# Allegro board OE19_pdb_1v01_b_0704_1000_customer.brd (continued)
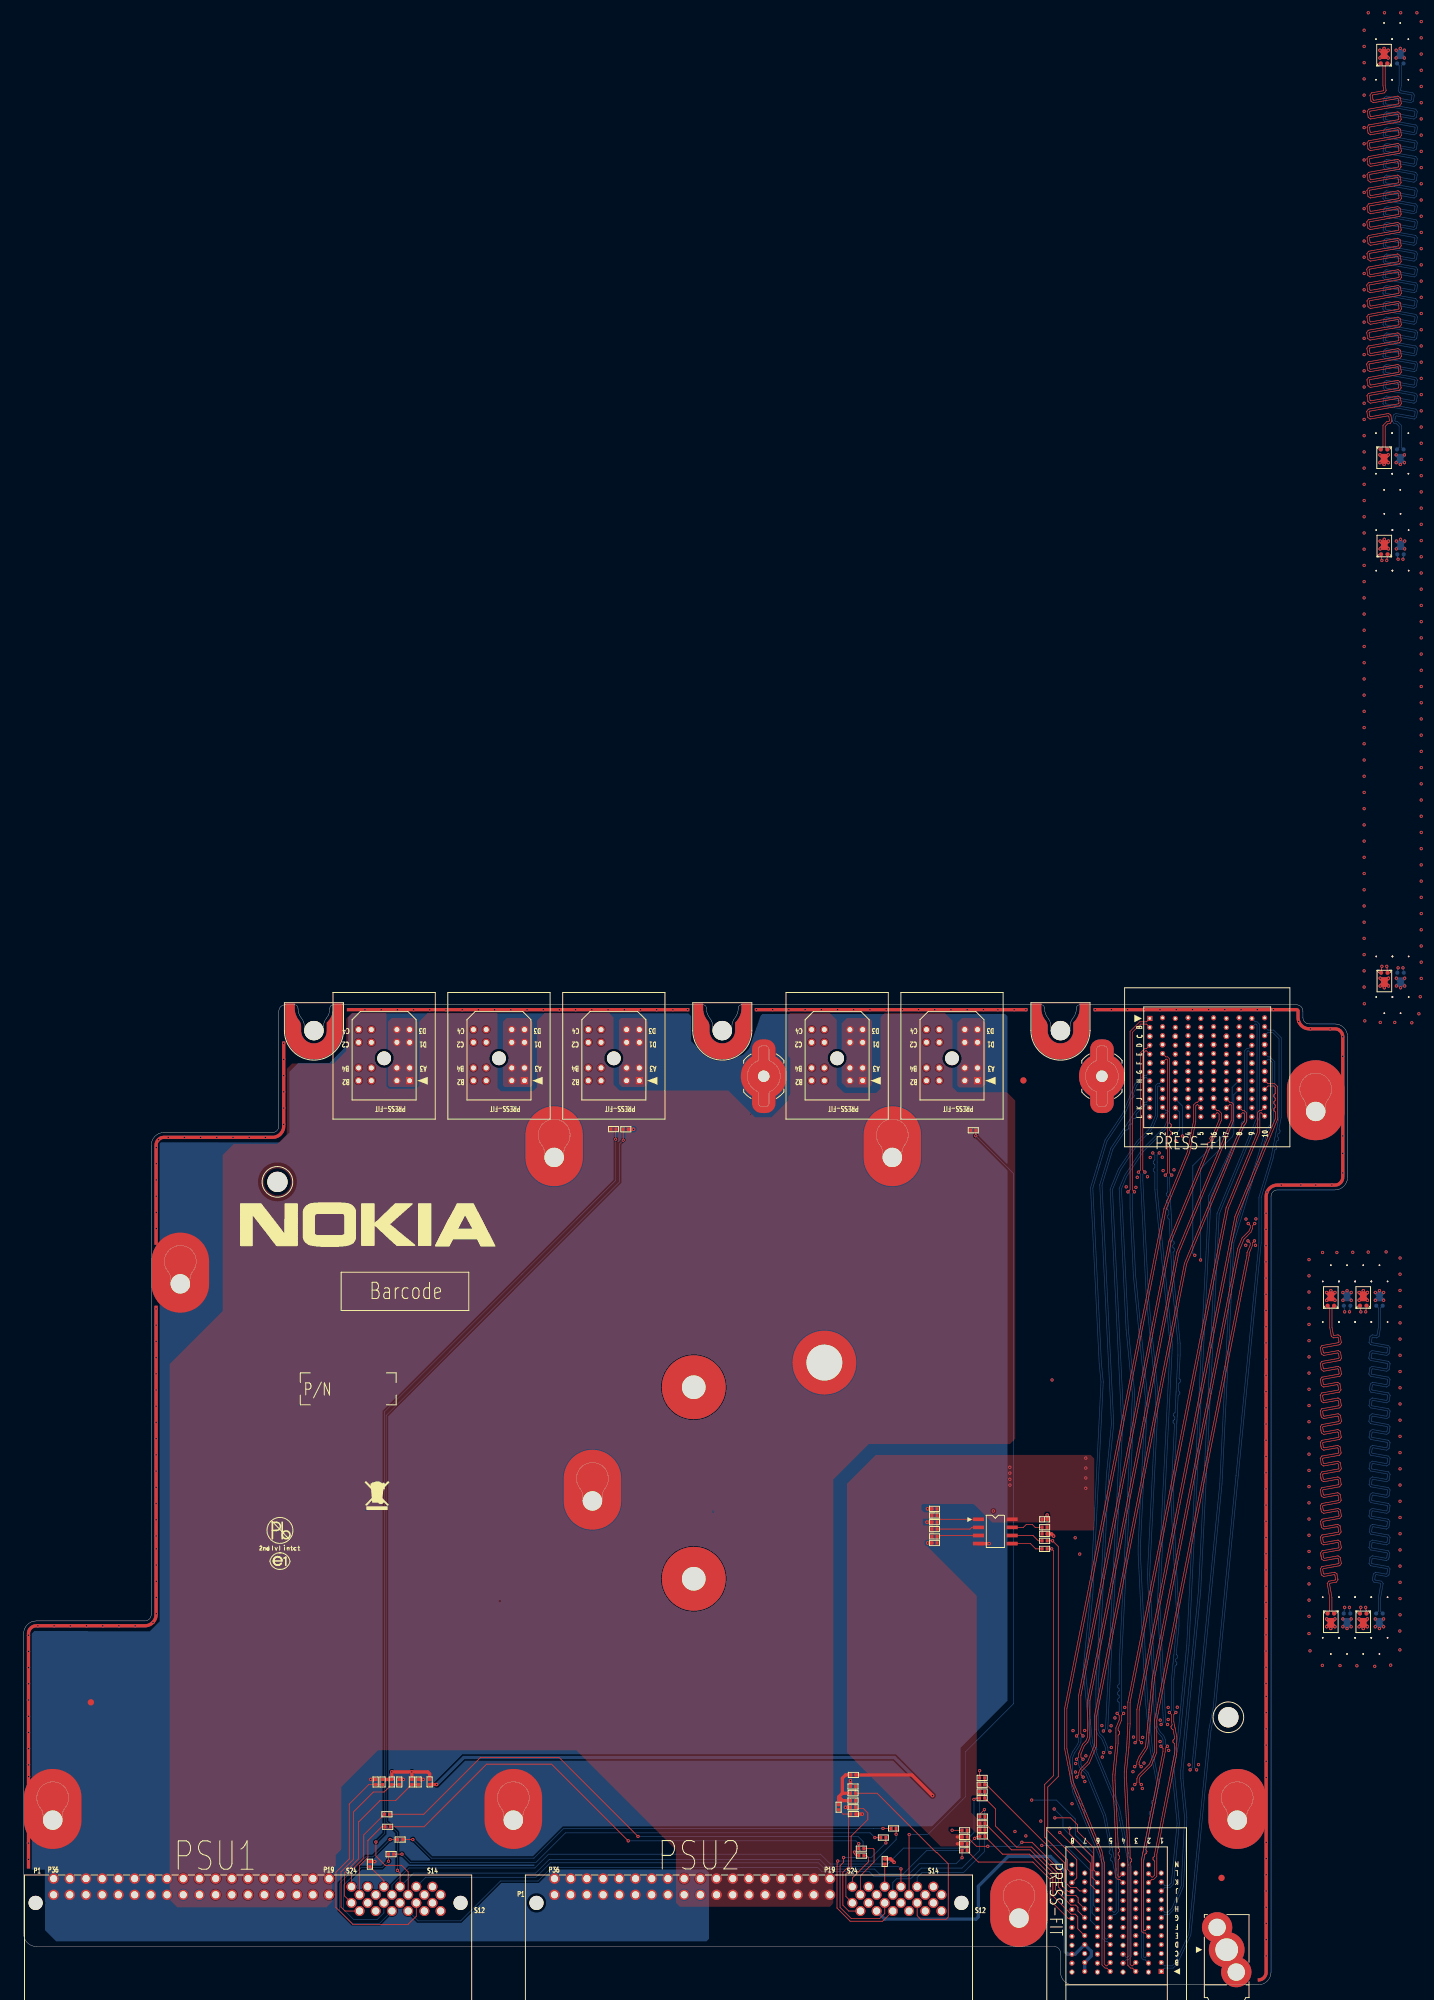
[diagram p0: board, top side]
## Routing (per net, layer and track width the routed paths; a pad name or vN(x,y) marks a point on that pad's centre or on a via; arc(x,y) is an arc through that point) (continued)
DELTA_L_85_10INCH_IN1_DN: length 254
  IN1 w0.114: v1(215.41,223.28) 215.59,223.11 215.59,220.57 215.45,219.78 215.32,219.69 213.48,220.01 213.05,219.72 212.88,218.73 213.17,218.31 217.7,217.51 217.79,217.38 217.68,216.74 217.55,216.64 213.47,217.36 213.05,217.07 212.87,216.08 213.17,215.66 217.74,214.85 217.84,214.72 217.72,214.08 217.59,213.98 213.47,214.71 213.05,214.41 212.87,213.42 213.17,213 217.77,212.19 217.86,212.06 217.75,211.42 217.61,211.33 213.48,212.05 213.06,211.76 212.89,210.77 213.18,210.35 217.75,209.54 217.84,209.41 217.72,208.77 217.59,208.68 213.5,209.4 213.07,209.1 212.9,208.11 213.19,207.69 217.67,206.9 217.77,206.77 217.65,206.13 217.52,206.04 213.52,206.74 213.1,206.45 212.92,205.46 213.22,205.04 217.78,204.23 217.87,204.1 217.75,203.46 217.62,203.37 213.53,204.09 213.11,203.79 212.93,202.8 213.23,202.38 217.78,201.58 217.88,201.45 217.76,200.81 217.63,200.71 213.52,201.44 213.1,201.14 212.93,200.15 213.22,199.73 217.74,198.93 217.83,198.8 217.72,198.16 217.59,198.07 213.49,198.79 213.07,198.49 212.9,197.51 213.19,197.08 217.71,196.29 217.8,196.15 217.69,195.51 217.56,195.42 213.47,196.14 213.04,195.85 212.87,194.86 213.16,194.44 217.68,193.64 217.77,193.51 217.66,192.87 217.52,192.77 213.49,193.49 213.07,193.19 212.89,192.2 213.19,191.78 217.79,190.97 217.88,190.84 217.77,190.19 217.64,190.1 213.48,190.84 213.05,190.54 212.88,189.55 213.17,189.13 217.74,188.32 217.83,188.19 217.71,187.55 217.58,187.46 213.48,188.18 213.06,187.89 212.88,186.9 213.18,186.48 217.79,185.66 217.89,185.53 217.77,184.89 217.64,184.8 213.54,185.52 213.12,185.22 212.95,184.23 213.24,183.81 217.77,183.01 217.87,182.88 217.75,182.24 217.62,182.15 213.54,182.87 213.12,182.57 212.94,181.58 213.24,181.16 217.73,180.37 217.83,180.23 217.71,179.59 217.58,179.5 213.49,180.22 213.07,179.93 212.9,178.94 213.19,178.52 217.75,177.71 217.84,177.58 217.73,176.94 217.6,176.85 213.52,177.56 213.1,177.27 212.93,176.28 213.22,175.86 217.77,175.06 217.86,174.92 217.75,174.28 217.61,174.19 213.4,174.93 212.98,174.64 212.81,173.65 213.1,173.23 217.76,172.4 217.86,172.27 217.74,171.63 217.61,171.54 213.54,172.26 213.12,171.96 212.91,170.8 213.21,170.38 217.79,169.58 217.88,169.44 217.77,168.8 217.64,168.71 213.45,169.44 213.02,169.15 212.85,168.16 213.14,167.74 217.39,166.99 217.49,166.86 217.37,166.22 217.24,166.12 213.29,166.82 212.87,166.52 212.69,165.53 212.99,165.11 216.44,164.5 216.56,164.33 216.19,162.26 215.56,161.63 215.56,159.43 v1(215.42,159.29)
  BOTTOM w0.099: J33.2 v1(215.42,159.29) ; J27.1 v1(215.41,223.28)
DELTA_L_85_10INCH_IN1_DP: length 254
  IN1 w0.114: v1(216.18,159.29) 215.99,159.48 215.99,161.45 216.59,162.05 217.01,164.43 216.69,164.89 213.24,165.5 213.14,165.63 213.26,166.28 213.39,166.37 217.34,165.67 217.76,165.97 217.94,166.96 217.64,167.38 213.39,168.13 213.3,168.26 213.41,168.9 213.55,168.99 217.74,168.25 218.16,168.55 218.33,169.54 218.04,169.96 213.46,170.77 213.37,170.9 213.51,171.71 213.64,171.81 217.71,171.09 218.13,171.38 218.31,172.37 218.01,172.79 213.35,173.62 213.26,173.75 213.37,174.39 213.5,174.48 217.71,173.74 218.14,174.04 218.31,175.02 218.01,175.45 213.47,176.25 213.38,176.38 213.49,177.02 213.62,177.11 217.7,176.4 218.12,176.69 218.29,177.68 218,178.1 213.44,178.91 213.35,179.04 213.46,179.68 213.59,179.77 217.68,179.05 218.1,179.35 218.28,180.33 217.98,180.76 213.49,181.55 213.39,181.68 213.51,182.32 213.64,182.42 217.72,181.7 218.14,181.99 218.32,182.98 218.02,183.4 213.49,184.2 213.4,184.33 213.51,184.97 213.64,185.07 217.74,184.35 218.16,184.64 218.34,185.63 218.04,186.05 213.43,186.87 213.33,187 213.45,187.64 213.58,187.73 217.68,187.01 218.1,187.3 218.28,188.29 217.98,188.71 213.42,189.52 213.33,189.65 213.44,190.29 213.58,190.38 217.74,189.65 218.16,189.95 218.34,190.94 218.04,191.36 213.44,192.17 213.34,192.3 213.46,192.94 213.59,193.04 217.62,192.32 218.05,192.62 218.22,193.61 217.93,194.03 213.41,194.83 213.32,194.96 213.43,195.6 213.57,195.69 217.66,194.97 218.08,195.27 218.25,196.25 217.96,196.68 213.44,197.47 213.35,197.61 213.46,198.25 213.59,198.34 217.69,197.62 218.11,197.91 218.29,198.9 217.99,199.32 213.47,200.12 213.38,200.25 213.49,200.89 213.62,200.99 217.73,200.26 218.15,200.56 218.33,201.55 218.03,201.97 213.48,202.77 213.39,202.9 213.5,203.55 213.63,203.64 217.72,202.92 218.14,203.21 218.32,204.2 218.02,204.62 213.46,205.43 213.37,205.56 213.49,206.2 213.62,206.29 217.62,205.59 218.04,205.88 218.22,206.87 217.92,207.29 213.44,208.08 213.35,208.21 213.46,208.86 213.6,208.95 217.69,208.23 218.11,208.52 218.29,209.51 217.99,209.93 213.43,210.74 213.34,210.87 213.45,211.51 213.58,211.6 217.71,210.88 218.14,211.17 218.31,212.16 218.02,212.58 213.42,213.39 213.32,213.52 213.44,214.17 213.57,214.26 217.69,213.53 218.11,213.83 218.29,214.82 217.99,215.24 213.42,216.05 213.32,216.18 213.44,216.82 213.57,216.91 217.65,216.19 218.07,216.49 218.24,217.48 217.95,217.9 213.42,218.7 213.33,218.83 213.44,219.47 213.58,219.56 215.42,219.24 215.84,219.53 216.02,220.53 216.02,223.13 v1(216.18,223.28)
  BOTTOM w0.099: J27.2 v1(216.18,223.28) ; J33.1 v1(216.18,159.29)
DELTA_L_85_10INCH_IN2_DN: length 254
  TOP w0.099: J25.1 v1(213.64,223.09) ; J31.2 v1(213.64,159.52)
  IN2 w0.114: v1(213.64,223.09) 213.47,222.93 213.47,220.82 213.65,219.77 213.79,219.68 215.63,220 216.05,219.71 216.22,218.72 215.93,218.29 211.4,217.5 211.31,217.36 211.43,216.72 211.56,216.63 215.63,217.35 216.06,217.05 216.23,216.06 215.94,215.64 211.36,214.84 211.27,214.7 211.38,214.06 211.51,213.97 215.63,214.7 216.05,214.4 216.23,213.41 215.93,212.99 211.34,212.18 211.24,212.05 211.36,211.41 211.49,211.31 215.62,212.04 216.04,211.75 216.22,210.76 215.92,210.34 211.36,209.53 211.27,209.4 211.38,208.76 211.51,208.66 215.61,209.39 216.03,209.09 216.2,208.1 215.91,207.68 211.43,206.89 211.34,206.76 211.45,206.12 211.58,206.02 215.59,206.73 216.01,206.44 216.18,205.45 215.89,205.02 211.33,204.22 211.24,204.09 211.35,203.45 211.48,203.35 215.57,204.08 215.99,203.78 216.17,202.79 215.87,202.37 211.32,201.57 211.23,201.43 211.34,200.79 211.47,200.7 215.58,201.42 216,201.13 216.18,200.14 215.88,199.72 211.36,198.92 211.27,198.79 211.38,198.15 211.51,198.06 215.61,198.78 216.03,198.48 216.21,197.49 215.91,197.07 211.39,196.27 211.3,196.14 211.41,195.5 211.55,195.41 215.64,196.13 216.06,195.83 216.23,194.84 215.94,194.42 211.43,193.63 211.33,193.49 211.45,192.85 211.58,192.76 215.62,193.47 216.04,193.18 216.21,192.19 215.92,191.77 211.31,190.95 211.22,190.82 211.33,190.18 211.46,190.09 215.63,190.82 216.05,190.53 216.22,189.54 215.93,189.12 211.37,188.31 211.28,188.18 211.39,187.54 211.52,187.45 215.62,188.17 216.05,187.87 216.22,186.88 215.93,186.46 211.31,185.65 211.22,185.52 211.33,184.88 211.46,184.78 215.56,185.51 215.98,185.21 216.16,184.22 215.86,183.8 211.33,183 211.24,182.87 211.35,182.23 211.48,182.13 215.56,182.85 215.99,182.56 216.16,181.57 215.87,181.15 211.37,180.35 211.28,180.22 211.39,179.58 211.52,179.49 215.61,180.21 216.03,179.91 216.21,178.92 215.91,178.5 211.35,177.7 211.26,177.57 211.37,176.93 211.51,176.83 215.58,177.55 216,177.26 216.18,176.27 215.88,175.84 211.37,175.05 211.28,174.92 211.39,174.28 211.53,174.18 215.61,174.91 216.04,174.61 216.21,173.62 215.92,173.2 211.37,172.4 211.28,172.27 211.39,171.62 211.53,171.53 215.56,172.24 215.98,171.95 216.19,170.79 215.89,170.37 211.31,169.56 211.22,169.43 211.33,168.79 211.47,168.69 215.72,169.44 216.14,169.15 216.17,168.97 216.31,168.16 216.02,167.74 211.77,166.99 211.68,166.85 211.79,166.21 211.92,166.12 215.84,166.81 216.26,166.52 216.44,165.53 216.14,165.1 212.43,164.45 212.34,164.32 212.66,162.48 213.47,161.67 213.47,159.69 v1(213.64,159.52)
DELTA_L_85_10INCH_IN2_DP: length 254
  TOP w0.099: J31.1 v1(212.88,159.52) ; J25.2 v1(212.87,223.09)
  IN2 w0.114: v1(212.88,159.52) 213.04,159.69 213.04,161.5 212.26,162.28 211.89,164.42 212.18,164.84 215.89,165.49 215.99,165.63 215.87,166.27 215.74,166.36 211.82,165.67 211.4,165.96 211.22,166.95 211.52,167.38 215.77,168.12 215.86,168.26 215.75,168.9 215.62,168.99 211.37,168.24 210.94,168.54 210.77,169.53 211.06,169.95 215.64,170.76 215.74,170.89 215.59,171.7 215.46,171.79 211.43,171.08 211,171.38 210.83,172.37 211.13,172.79 215.67,173.59 215.76,173.72 215.65,174.36 215.51,174.45 211.43,173.73 211,174.03 210.83,175.02 211.13,175.44 215.63,176.23 215.72,176.37 215.61,177.01 215.48,177.1 211.41,176.38 210.98,176.68 210.81,177.67 211.11,178.09 215.66,178.89 215.75,179.02 215.64,179.67 215.51,179.76 211.42,179.04 211,179.33 210.82,180.32 211.12,180.74 215.62,181.54 215.71,181.67 215.6,182.31 215.46,182.4 211.38,181.68 210.96,181.98 210.78,182.97 211.08,183.39 215.61,184.19 215.7,184.32 215.59,184.96 215.46,185.05 211.36,184.33 210.94,184.63 210.77,185.62 211.06,186.04 215.68,186.85 215.77,186.98 215.66,187.63 215.52,187.72 211.42,187 211,187.29 210.82,188.28 211.12,188.7 215.68,189.51 215.77,189.64 215.66,190.28 215.53,190.37 211.36,189.64 210.94,189.93 210.77,190.92 211.06,191.34 215.67,192.16 215.76,192.29 215.65,192.93 215.52,193.02 211.48,192.31 211.06,192.61 210.88,193.59 211.18,194.02 215.69,194.81 215.78,194.94 215.67,195.59 215.54,195.68 211.45,194.96 211.03,195.25 210.85,196.24 211.15,196.66 215.66,197.46 215.76,197.59 215.64,198.23 215.51,198.33 211.41,197.6 210.99,197.9 210.82,198.89 211.11,199.31 215.63,200.11 215.73,200.24 215.61,200.88 215.48,200.97 211.37,200.25 210.95,200.54 210.77,201.53 211.07,201.96 215.63,202.76 215.72,202.89 215.61,203.53 215.47,203.62 211.38,202.9 210.96,203.2 210.78,204.19 211.08,204.61 215.64,205.41 215.73,205.55 215.62,206.19 215.49,206.28 211.48,205.57 211.06,205.87 210.88,206.86 211.18,207.28 215.66,208.07 215.75,208.2 215.64,208.84 215.51,208.94 211.41,208.21 210.99,208.51 210.81,209.5 211.11,209.92 215.67,210.73 215.77,210.86 215.65,211.5 215.52,211.59 211.39,210.86 210.97,211.16 210.79,212.15 211.09,212.57 215.69,213.38 215.78,213.51 215.67,214.15 215.53,214.25 211.41,213.52 210.99,213.81 210.82,214.8 211.11,215.23 215.69,216.03 215.78,216.16 215.67,216.81 215.53,216.9 211.46,216.18 211.04,216.48 210.86,217.46 211.16,217.89 215.68,218.68 215.77,218.82 215.66,219.46 215.53,219.55 213.69,219.22 213.26,219.52 213.04,220.78 213.04,222.93 v1(212.87,223.09)
DELTA_L_85_10INCH_TOP_DN: length 254
  TOP w0.099: J32.2 213.04,300.61 213.04,297.51 213.17,296.77 213.09,296.66 211.25,296.33 211,295.98 211.17,295.03 211.52,294.79 213.41,295.12 215.3,295.45 215.44,295.36 215.55,294.74 215.45,294.6 210.81,293.78 210.57,293.43 210.73,292.48 211.09,292.24 215.3,292.98 215.42,292.9 215.53,292.24 215.45,292.13 210.8,291.31 210.55,290.95 210.63,290.48 210.72,290.01 211.07,289.76 215.34,290.51 215.45,290.43 215.57,289.78 215.49,289.66 210.78,288.83 210.54,288.48 210.62,288.01 210.7,287.53 211.06,287.29 215.33,288.04 215.44,287.96 215.56,287.3 215.48,287.19 210.78,286.36 210.53,286.01 210.61,285.53 210.7,285.06 211.05,284.81 215.28,285.56 215.39,285.48 215.51,284.82 215.43,284.71 210.79,283.89 210.54,283.53 210.71,282.59 211.06,282.34 215.29,283.09 215.4,283.01 215.52,282.35 215.44,282.24 210.77,281.41 210.53,281.06 210.69,280.11 211.05,279.87 215.33,280.62 215.44,280.54 215.56,279.88 215.48,279.77 210.78,278.94 210.53,278.59 210.7,277.64 211.05,277.39 215.29,278.14 215.41,278.06 215.52,277.41 215.44,277.29 210.75,276.46 210.5,276.11 210.67,275.16 211.02,274.92 215.3,275.67 215.41,275.59 215.53,274.93 215.45,274.82 210.79,274 210.54,273.65 210.71,272.7 211.07,272.45 215.3,273.2 215.41,273.12 215.53,272.46 215.45,272.35 210.78,271.52 210.53,271.17 210.69,270.22 211.05,269.98 215.3,270.73 215.41,270.64 215.53,269.99 215.45,269.87 210.74,269.04 210.49,268.69 210.66,267.75 211.01,267.5 215.35,268.26 215.46,268.18 215.58,267.52 215.5,267.41 210.75,266.57 210.5,266.22 210.66,265.27 211.02,265.03 215.34,265.79 215.46,265.71 215.57,265.05 215.49,264.94 210.78,264.11 210.54,263.75 210.7,262.81 211.06,262.56 215.34,263.31 215.45,263.23 215.57,262.58 215.49,262.46 210.77,261.63 210.52,261.28 210.69,260.33 211.04,260.08 215.32,260.84 215.44,260.76 215.55,260.1 215.47,259.99 210.73,259.15 210.49,258.8 210.65,257.85 211.01,257.61 215.3,258.36 215.41,258.28 215.53,257.63 215.45,257.51 210.76,256.68 210.51,256.33 210.68,255.39 211.03,255.14 215.34,255.9 215.45,255.82 215.57,255.16 215.49,255.05 210.73,254.21 210.48,253.85 210.65,252.91 211,252.66 215.32,253.42 215.43,253.34 215.55,252.68 215.47,252.57 210.78,251.74 210.53,251.39 210.7,250.44 211.05,250.19 215.29,250.94 215.4,250.86 215.52,250.21 215.44,250.09 210.78,249.27 210.53,248.92 210.7,247.97 211.05,247.72 215.33,248.48 215.44,248.4 215.56,247.74 215.48,247.63 210.75,246.79 210.5,246.44 210.66,245.49 211.02,245.24 213.84,245.74 213.95,245.66 214.07,245.01 213.99,244.89 213.62,244.83 213.04,244.24 213.04,240.82 J26.1
DELTA_L_85_10INCH_TOP_DP: length 254
  TOP w0.099: J32.1 213.39,300.61 213.39,297.54 213.54,296.69 213.29,296.33 211.46,296.01 211.38,295.9 211.49,295.24 211.61,295.16 215.39,295.83 215.76,295.56 215.92,294.65 215.66,294.28 211.02,293.46 210.94,293.35 211.05,292.69 211.17,292.61 215.38,293.35 215.74,293.1 215.91,292.16 215.66,291.81 211,290.98 210.92,290.87 211.04,290.21 211.15,290.13 215.42,290.89 215.77,290.64 215.94,289.69 215.69,289.34 210.99,288.51 210.91,288.4 211.03,287.74 211.14,287.66 215.41,288.41 215.77,288.16 215.93,287.22 215.68,286.87 210.98,286.04 210.9,285.92 211.02,285.27 211.13,285.19 215.36,285.93 215.71,285.68 215.88,284.74 215.63,284.38 211,283.57 210.92,283.45 211.03,282.79 211.15,282.71 215.37,283.46 215.72,283.21 215.89,282.27 215.64,281.91 210.98,281.09 210.9,280.98 211.02,280.32 211.13,280.24 215.41,280.99 215.77,280.75 215.93,279.8 215.68,279.45 210.98,278.62 210.9,278.5 211.02,277.85 211.13,277.77 215.38,278.52 215.73,278.27 215.9,277.32 215.65,276.97 210.96,276.14 210.88,276.03 210.99,275.37 211.11,275.29 215.38,276.04 215.74,275.8 215.9,274.85 215.66,274.5 211,273.68 210.92,273.56 211.03,272.9 211.15,272.82 215.38,273.57 215.73,273.32 215.9,272.38 215.65,272.02 210.98,271.2 210.9,271.09 211.02,270.43 211.13,270.35 215.38,271.1 215.74,270.85 215.9,269.91 215.65,269.55 210.95,268.72 210.87,268.61 210.98,267.95 211.1,267.87 215.43,268.63 215.78,268.39 215.95,267.44 215.7,267.09 210.95,266.25 210.87,266.14 210.99,265.48 211.1,265.4 215.42,266.16 215.78,265.91 215.94,264.97 215.7,264.61 210.99,263.78 210.91,263.67 211.03,263.01 211.14,262.93 215.42,263.69 215.78,263.44 215.94,262.5 215.69,262.14 210.97,261.31 210.89,261.19 211.01,260.54 211.12,260.46 215.41,261.21 215.76,260.96 215.93,260.02 215.68,259.67 210.94,258.83 210.86,258.72 210.98,258.06 211.09,257.98 215.38,258.74 215.74,258.49 215.9,257.54 215.66,257.19 210.96,256.36 210.88,256.25 210.94,255.92 211,255.59 211.11,255.51 215.42,256.27 215.77,256.02 215.94,255.08 215.69,254.72 210.94,253.88 210.86,253.77 210.97,253.11 211.09,253.03 215.4,253.79 215.76,253.55 215.92,252.6 215.68,252.25 210.98,251.42 210.9,251.31 211.02,250.65 211.13,250.57 215.37,251.32 215.72,251.07 215.89,250.12 215.64,249.77 210.99,248.95 210.91,248.83 211.02,248.18 211.14,248.1 215.41,248.85 215.77,248.6 215.93,247.66 215.68,247.3 210.95,246.47 210.87,246.35 210.99,245.7 211.1,245.62 213.92,246.11 214.28,245.87 214.44,244.92 214.19,244.57 213.8,244.5 213.39,244.1 213.39,240.82 J26.2
FM_BBU_PRSNT_N: length 155
  IN2 w0.127: J9.I8 163.46,14.04 163.46,16.13 155.57,24.02 v1(155.37,24.02) 155.37,92.54 189.31,126.48 189.31,149.15 J1.B7
FM_BMC_SLED1_READY_N: length 155.5
  IN1 w0.127: J1.C8 189.74,147.9 189.74,124.91 165.51,100.68 v1(165.51,67.47) 165.51,67.08 165.03,66.6 165.03,65.32 162.56,62.85 162.56,28.53 167.48,23.61 167.48,20.63 168.89,19.23 168.89,8.76 168.88,8.75 168.88,8.18 J9.E6
FM_BMC_SLED2_READY_N: length 149
  IN1 w0.127: J1.H3 179.72,140.78 179.72,135.11 157.12,112.51 157.12,24.29 v1(159.58,21.83)
  BOTTOM w0.114: J9.F6 167.18,10.12 167.18,17.93 163.28,21.83 v1(159.58,21.83)
FM_BMC_SLED3_READY_N: length 153.4
  IN2 w0.127: v1(161.52,27.54) 156.87,32.18 156.87,92 191.27,126.39 191.27,143.69 J1.F8
  BOTTOM w0.114: J9.G6 167.45,11.25 167.45,20.01 162.89,24.57 162.89,26.17 v1(161.52,27.54)
FM_BMC_SLED4_READY_N: length 142.3
  IN1 w0.127: v1(180.57,132.19) 180.57,130.3 180.94,129.92 180.94,126.9 157.98,103.94 v1(157.98,28.94)
  BOTTOM w0.114: v1(157.98,28.94) 161.86,28.94 164.82,25.98 164.82,23.45 167.7,20.57 167.71,20.54 167.71,12.39 J9.H6 ; J1.K3 181.13,136.73 181.13,133.89 180.57,133.32 v1(180.57,132.19)
FM_BMC_SLED5_READY_N: length 141
  IN1 w0.127: v1(184.46,113.53) 184.46,82.43 163.46,61.43 163.46,29.21 v1(164.31,28.36)
  IN2 w0.127: J9.I6 169.2,14.1 169.2,19.93 165.05,24.08 165.05,27.63 v1(164.31,28.36)
  BOTTOM w0.114: v1(184.46,113.53) 184.46,127.86 189.4,132.8 189.67,133.38 189.67,139.43 J1.I8
FM_PSU1_PRSNT_N: length 23.9
  TOP w0.114: J9.G8 163.72,10.4 160.87,13.24 160.87,16.54 158.18,19.24 149.61,19.24 147.87,20.97 R18.2 R33.2
FM_PSU1_PRSNT_R_N: length 93.8
  TOP w0.114: v1(147.07,19.91) R18.1
  BOTTOM w0.114: v1(147.07,19.91) 146.14,18.97 140.36,18.97 138.38,16.99 133.27,16.99 132.53,17.72 125.11,17.72 124.45,18.38 82.75,18.38 80.63,16.26 74.73,16.26 68.5,10.03 61.81,10.03 JP1.S8
FM_PSU2_PRSNT_N: length 22.7
  TOP w0.114: v1(156.45,22.33) 158.05,22.33 162.65,17.72 162.65,15.66 163.72,14.6 J9.J8 ; R19.2 R35.2 149.34,21.7 v1(151.11,21.7)
  BOTTOM w0.114: v1(151.11,21.7) 155.82,21.7 v1(156.45,22.33)
FM_PSU2_PRSNT_R_N: length 22.7
  TOP w0.114: R19.1 v1(145.52,24.21)
  IN1 w0.127: JP2.S8 138.77,10.66 139.29,10.14 144.15,10.14 145.07,11.05 145.07,23.75 v1(145.52,24.21)
FM_RMC_GPIO_0: length 144.3
  TOP w0.114: v1(162.4,23.86) 167.17,19.09 167.17,15.73 J9.J6
  IN1 w0.127: v1(162.4,23.86) 160,26.26 160,63.38 162.87,66.25 162.87,102.78 185.73,125.64 185.73,143.69 J1.F6
FM_RMC_GPIO_1: length 139.9
  TOP w0.114: J9.K6 167.45,16.85 167.45,17.87 167.45,17.88 167.45,20.12 163.95,23.62 v1(163.95,24.52)
  IN1 w0.127: v1(163.95,24.52) 162.94,25.53 162.94,26.92 161.39,28.46 161.39,63.41 163.8,65.82 163.8,101.24 187.65,125.09 187.65,140.51 J1.H6
FM_RMC_GPIO_2: length 138.9
  TOP w0.114: J9.L6 167.71,17.99 167.71,21.49 165.19,24.01 165.19,25.06 164.09,26.15 v1(161.62,26.15)
  IN1 w0.127: J1.I6 187.3,139.46 187.3,125.65 163.37,101.73 163.37,66.29 160.62,63.53 160.62,27.15 v1(161.62,26.15)
FM_SLED1_PRSNT_N: length 146.4
  IN1 w0.127: J1.B8 189.31,148.87 189.31,125.49 164.39,100.56 164.39,70.44 v1(164.81,70.02) 164.39,69.6 164.39,65.42 162.13,63.16 162.13,28.37 166.3,24.2 J9.L7
FM_SLED2_PRSNT_N: length 162.1
  IN1 w0.127: J9.A6 167.3,1 165.3,1 165.18,1.13 165.18,20.65 164.9,20.93 159.47,20.93 v1(157.07,23.32) 156.55,23.84 156.55,112.75 179.32,135.51 179.32,141.78 J1.G3
FM_SLED3_PRSNT_N: length 161.2
  IN2 w0.127: J9.B6 167.67,4.03 167.67,19.67 162.5,24.84 162.5,28.16 157.84,32.81 157.84,91.41 v1(161.18,94.74) 161.18,95.39 191.6,125.81 191.6,144.76 J1.E8
FM_SLED4_PRSNT_N: length 157
  IN1 w0.127: v1(181.63,132.95) 181.63,126.84 158.5,103.72 158.5,25.05 161.78,21.77 164.71,21.77 165.58,20.91 165.58,1.71 165.9,1.39 166.64,1.39 167.19,1.94 167.19,3.69 J9.C6
  BOTTOM w0.114: v1(181.63,132.95) 181.63,137.63 J1.J3
FM_SLED5_PRSNT_N: length 149.8
  IN1 w0.127: J9.D6 169.05,6.95 169.05,7.88 169.21,8.04 169.21,8.61 169.22,8.62 169.22,19.36 168.42,23.38 163.05,28.75 163.05,62.21 183.55,82.71 v1(183.55,114.27)
  BOTTOM w0.114: v1(183.55,114.27) 183.24,114.58 183.24,128.3 189.41,134.47 189.41,140.57 J1.H8
FRU_A0: length 7.8
  TOP w0.114: R1119.1 R1118.2 143.15,73.47 143.71,72.92 U32.1
FRU_A1: length 7.7
  TOP w0.114: U32.2 148.6,71.65 148.33,71.38 R1115.2 R1116.1
FRU_A2: length 7.6
  TOP w0.114: U32.3 143.71,70.38 143.56,70.24 R1112.2 R324.1
FRU_WP: length 6.1
  TOP w0.114: U32.7 156.69,71.65 157.12,72.08 158.1,72.08 158.54,71.65 159.18,71.65 159.2,71.67 R1120.2 R1121.1
IRQ_PSU1_ALERT_N: length 27.1
  TOP w0.114: J9.H7 165.27,12.93 165.27,13.63 164.89,14.01 163.5,14.01 162.19,15.31 162.19,17.38 157.99,21.58 155.6,21.58 152.3,24.88 152.3,27.56 R12.2 R28.2
IRQ_PSU1_ALERT_R_N: length 103.6
  TOP w0.114: R12.1 149.14,29.24 v1(148.94,29.04)
  BOTTOM w0.114: v1(148.94,29.04) 148.94,23.85 146.51,21.42 137.91,21.42 135.41,18.92 126.43,18.92 124.9,20.45 82.27,20.45 80.12,18.3 60.4,18.3 57.73,15.63 JP1.S19
IRQ_PSU2_ALERT_N: length 25.4
  TOP w0.114: J9.J7 165.52,14.7 164.99,15.22 164.08,15.22 163.16,16.15 163.16,17.94 163.16,17.95 163.16,19.09 150.91,31.34 R30.2 R14.2
IRQ_PSU2_ALERT_R_N: length 31.2
  TOP w0.114: v1(149.83,33.54) R14.1
  BOTTOM w0.114: JP2.S19 136.23,16.04 136.79,16.61 139.01,16.61 140.69,18.28 147.06,18.28 149.83,21.05 v1(149.83,33.54)
IRQ_RMC_ALERT_N: length 144.4
  IN1 w0.127: v1(159.41,25.65) 159.41,63.4 162.34,66.33 162.34,103.22 185.25,126.13 185.25,129.51 185.3,129.56 185.3,144.66 J1.E6
  IN2 w0.127: v1(159.41,25.65) 167.02,18.04 167.02,16.82 J9.K7
LAN_SLED1_MDIN0: length 151.7
  BOTTOM w0.099: J9.B1 178.82,2.98 180.01,2.98 180.48,3.44 182.59,7.9 185.74,39.91 186.43,43.38 190.02,79.8 193.6,116.21 193.6,123.34 195.48,129.54 195.76,130.95 195.76,130.95 196.75,135.92 196.75,148.19 195.76,149.18 195.02,149.18 J1.C10
LAN_SLED1_MDIN1: length 144.2
  IN2 w0.114: J9.E1 177.81,7.21 177.65,7.21 177.54,7.33 177.54,18.01 177.83,18.31 177.83,18.66 177.54,18.95 177.54,19.3 177.83,20.01 178.82,21 182.56,30.02 182.94,30.18 183.07,30.5 182.92,30.89 183.05,31.21 183.43,31.37 183.56,31.69 183.41,32.07 183.54,32.4 183.54,33.38 v1(183.84,33.67)
  BOTTOM w0.099: J1.E10 195.02,145.34 195.33,145.34 196.09,144.57 196.09,137.38 195.85,136.6 195.97,135.39 195.73,134.61 194.96,133.67 189.68,116.24 187.82,78.45 183.5,34.64 183.5,34.64 183.5,34.01 v1(183.84,33.67)
LAN_SLED1_MDIN2: length 143.4
  BOTTOM w0.099: J1.B9 193.02,150.48 193.16,150.48 193.31,150.34 193.31,135.95 187.03,120.79 184.13,61.72 181.35,33.52 181.35,32.33 181.96,26.17 181.43,15.54 179.97,12 179.34,11.38 178.82,11.38 J9.H1
LAN_SLED1_MDIN3: length 135.4
  BOTTOM w0.099: J1.E9 191.98,146.28 191.84,146.28 191.73,146.18 191.73,135.41 186.1,123.5 182.64,53.14 181.21,38.65 180.29,33.98 181.14,25.29 180.2,15.78 179.65,15.22 178.82,15.22 J9.J1
LAN_SLED1_MDIP0: length 153.4
  BOTTOM w0.099: J1.B10 195.02,149.54 195.9,149.54 197.1,148.34 197.1,135.86 197.1,135.85 196.74,134.04 196.93,133.75 196.87,133.46 196.59,133.27 196.51,132.89 196.7,132.61 196.64,132.32 196.36,132.13 196.23,131.5 196.42,131.22 196.37,130.93 196.08,130.74 195.83,129.46 193.96,123.29 193.96,116.19 190.37,79.76 190.37,79.76 186.78,43.33 186.09,39.86 182.93,7.8 180.77,3.24 180.16,2.62 178.82,2.62 J9.A1
LAN_SLED1_MDIP1: length 143.6
  IN2 w0.114: v1(182.82,33.67) 183.11,33.38 183.11,32.48 182.16,30.19 178.46,21.24 177.47,20.25 177.11,19.39 177.11,7.15 177.47,6.79 177.81,6.79 J9.D1
  BOTTOM w0.099: J1.F10 195.02,144.98 195.18,144.98 195.73,144.43 195.73,137.43 195.49,136.63 195.61,135.43 195.42,134.78 194.65,133.84 189.32,116.3 187.47,78.47 183.15,34.66 183.15,34.01 v1(182.82,33.67)
LAN_SLED1_MDIP2: length 144.5
  BOTTOM w0.099: J1.A9 193.02,150.84 193.31,150.84 193.66,150.49 193.66,135.87 193.66,135.87 187.38,120.71 184.48,61.7 181.7,33.5 181.7,32.35 182.31,26.18 181.78,15.46 180.27,11.8 179.49,11.02 178.82,11.02 J9.G1
LAN_SLED1_MDIP3: length 135.6
  BOTTOM w0.099: J9.K1 178.82,15.58 179.51,15.58 179.87,15.94 180.79,25.29 179.93,34 180.87,38.7 182.29,53.17 185.75,123.59 190.92,134.52 190.8,134.84 190.93,135.11 191.25,135.22 191.38,135.49 191.38,146.32 191.69,146.64 191.98,146.64 J1.D9
LAN_SLED2_MDIN0: length 150.1
  TOP w0.099: v1(174.09,124.2) 173.76,124.53 173.76,149.18 175.06,150.48 175.98,150.48 J1.B1
  BOTTOM w0.099: J9.C2 175.78,4.28 175.64,4.28 175.55,4.37 175.55,19.43 177.96,31.55 176.93,36.7 176.15,44.68 175.03,67.43 175.03,68.73 176.17,91.91 174.28,111.09 173.76,121.67 173.76,123.87 v1(174.09,124.2)
LAN_SLED2_MDIN1: length 141.4
  TOP w0.099: v1(175.74,127.3) 175.41,127.63 175.41,145.85 175.84,146.28 175.98,146.28 J1.E1 ; J9.F2 175.78,8.48 175.64,8.48 175.55,8.57 175.55,19.55 175.72,20.44 176,20.62 176.06,20.92 175.87,21.2 175.95,21.58 178.92,36.55 178.92,37.04 v1(179.25,37.37)
  BOTTOM w0.099: v1(179.25,37.37) 178.92,37.7 178.92,38.44 178.67,39.06 178.14,39.59 177.65,40.5 176.48,64.28 177.79,90.93 177.79,92.53 176.31,107.57 175.41,125.97 175.41,126.97 v1(175.74,127.3)
LAN_SLED2_MDIN2: length 140.7
  IN1 w0.114: v1(178.27,40.78) 178.56,40.48 178.56,39.78 179.88,37.8 179.98,37.56 179.98,36.8 179.14,28.3 177.16,18.34 177.16,12.93 176.95,12.71 176.79,12.71 J9.I2
  IN2 w0.114: J1.C2 178.96,149.12 179.19,149.12 179.31,149 179.31,135.04 178.71,133.61 177.99,132.88 177.26,131.13 177.26,130.41 177.14,130.29 v1(176.96,130.29)
  BOTTOM w0.099: v1(178.27,40.78) 178.6,41.11 178.6,41.87 177.71,60 179.68,100.28 177.3,124.54 177.3,127.24 177.05,127.49 177.05,127.78 177.3,128.02 177.3,128.44 177.05,128.68 177.05,128.98 177.3,129.22 177.3,129.96 v1(176.96,130.29)
LAN_SLED2_MDIN3: length 132.9
  TOP w0.099: v1(179.57,42.66) 179.9,42.33 179.9,41.2 180,40.72 179.81,40.43 179.87,40.14 180.15,39.95 180.37,38.85 180.37,38.55 180.13,38.31 180.13,38.02 180.37,37.77 180.37,36.18 177.24,20.45 177.24,20.15 177,19.91 177,19.61 177.24,19.37 177.24,17.16 176.96,16.88 176.82,16.88 J9.L2 ; J1.F2 179.02,144.98 179.16,144.98 179.26,144.88 179.26,127.15 v1(178.93,126.82)
  BOTTOM w0.099: v1(178.93,126.82) 179.26,126.49 179.26,125.49 179.33,124.2 179.1,123.94 179.11,123.65 179.36,123.42 179.38,123.12 179.15,122.87 179.16,122.57 179.42,122.34 179.43,122.04 179.2,121.79 179.22,121.49 179.47,121.27 179.5,120.69 179.27,120.44 179.28,120.14 179.54,119.91 179.9,112.46 179.9,110.66 180.9,100.48 180.9,98.64 180.46,89.67 180.21,89.44 180.2,89.14 180.43,88.89 180.41,88.59 180.16,88.36 180.14,88.07 180.37,87.81 179.8,76.19 180.72,57.48 180.72,56.22 179.9,47.91 179.9,42.99 v1(179.57,42.66)
LAN_SLED2_MDIP0: length 151.7
  TOP w0.099: J1.A1 175.98,150.84 174.92,150.84 173.41,149.33 173.41,124.53 v1(173.08,124.2)
  BOTTOM w0.099: v1(173.08,124.2) 173.41,123.87 173.41,121.66 173.93,111.07 175.81,91.9 174.68,68.74 174.68,67.42 175.79,44.65 176.58,36.65 177.6,31.55 177.08,28.96 176.8,28.78 176.74,28.48 176.93,28.2 176.74,27.26 176.46,27.07 176.4,26.78 176.59,26.5 175.19,19.46 175.19,4.22 175.49,3.92 175.78,3.92 J9.B2